# Altium PCB PC104_M7_4L.PcbDoc (part 1 of 3) (continued)
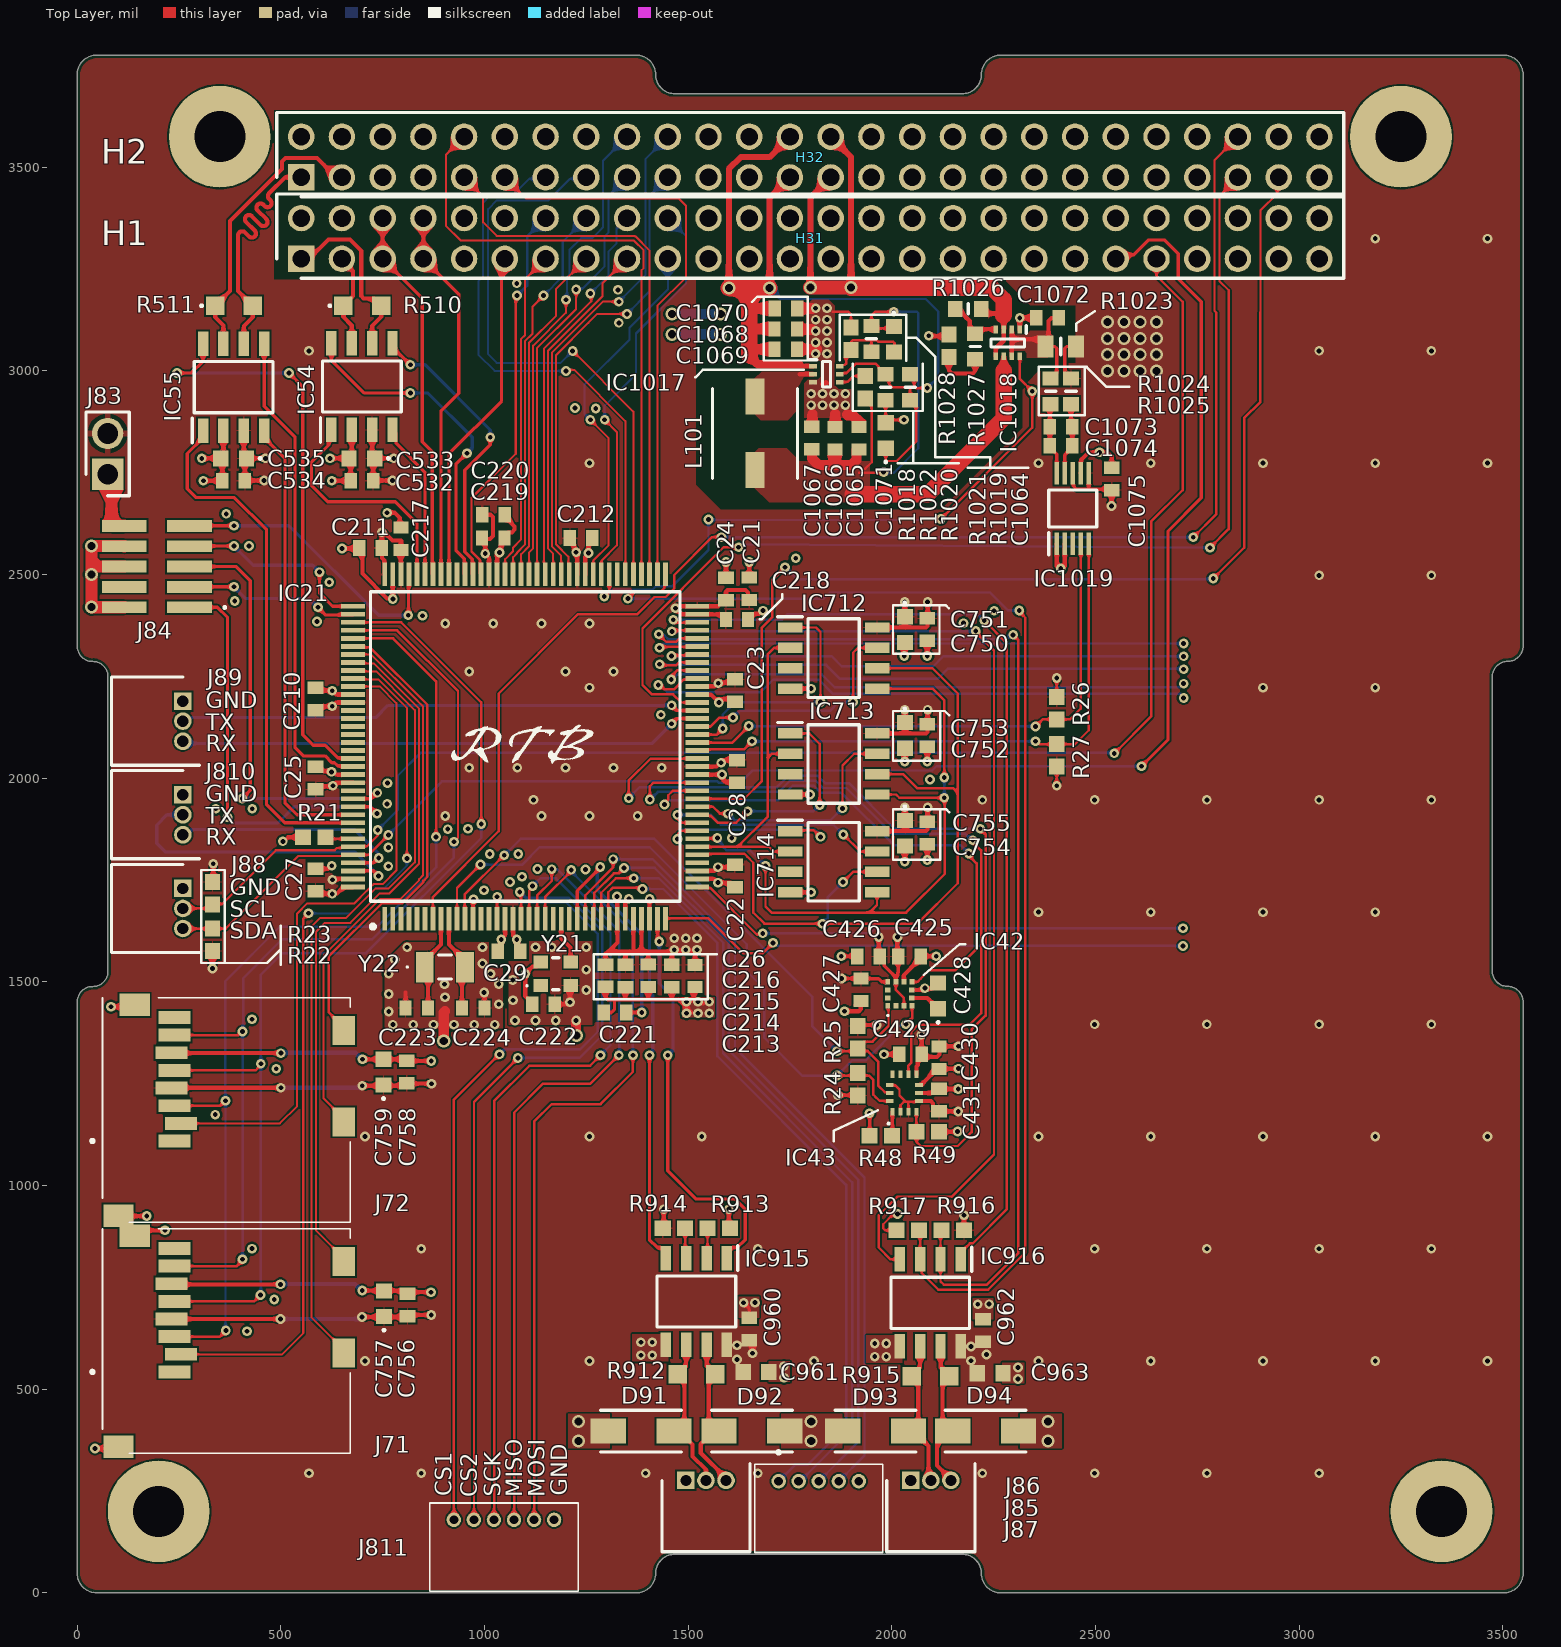
[diagram p0: Top Layer view]
## Part data (continued)
IC43: "Accelerometer, Gyroscope, Temperature, 6 Axis Sensor I²C, SPI Output", Manufacturer_Name=STMicroelectronics, Mouser Part Number=511-ASM330LHHTR, Arrow Part Number=ASM330LHHTR, Arrow Price/Stock=https://www.arrow.com/en/products/asm330lhhtr/stmicroelectronics?region=nac, Datasheet Link=https://www.st.com/resource/en/datasheet/asm330lhh.pdf, Manufacturer_Part_Number=ASM330LHHTR, Mouser Price/Stock=https://www.mouser.co.uk/ProductDetail/STMicroelectronics/ASM330LHHTR?qs=lc2O%252BfHJPVYgP8P9MzExKQ%3D%3D
IC54 IC55: "1/1 Transceiver CANbus 8-SOIC", Manufacturer_Name="Texas Instruments", Mouser Part Number=595-TCAN337GDR, Arrow Part Number=TCAN337GDR, Arrow Price/Stock=https://www.arrow.com/en/products/tcan337gdr/texas-instruments?region=nac, Datasheet Link=http://www.ti.com/lit/gpn/tcan337g, Height=1.75mm, Manufacturer_Part_Number=TCAN337GDR, Mouser Price/Stock=https://www.mouser.co.uk/ProductDetail/Texas-Instruments/TCAN337GDR?qs=gMfM3zrbS4qJ%252BEWbPaeUtA%3D%3D
IC712 IC713 IC714: "FRAM (Ferroelectric RAM) Memory IC 1Mbit SPI 40 MHz 8-SOP", Manufacturer_Name=FUJITSU, Mouser Part Number=249-85S1MTPNFGJNERE1, Datasheet Link=https://www.fujitsu.com/us/Images/MB85RS1MT-DS501-00022-2v0-E.pdf, Height=1.75mm, Manufacturer_Part_Number=MB85RS1MTPNF-G-JNERE1, Mouser Price/Stock=https://www.mouser.co.uk/ProductDetail/Fujitsu-Semiconductor/MB85RS1MTPNF-G-JNERE1?qs=HBWAp0VN4Rhzv67G8JdVdQ%3D%3D
IC915 IC916: "1/1 Transceiver Half RS485 8-SOIC", Manufacturer_Name="Texas Instruments", Mouser Part Number=595-THVD2450DR, Arrow Part Number=THVD2450DR, Arrow Price/Stock=https://www.arrow.com/en/products/thvd2450dr/texas-instruments?region=nac, Datasheet Link=http://www.ti.com/lit/gpn/THVD2450, Height=1.75mm, Manufacturer_Part_Number=THVD2450DR, Mouser Price/Stock=https://www.mouser.co.uk/ProductDetail/Texas-Instruments/THVD2450DR?qs=%252B6g0mu59x7KnRZ8zf%2FOjqQ%3D%3D
IC1017: library part TPS564257DRLR, "TPS564252DRLR / Buck Switching Regulator IC Positive Adjustable 0.6V 1 Output 4A SOT-563, SOT-666", Manufacturer_Name="Texas Instruments", Mouser Part Number=595-TPS564257DRLR, Datasheet Link=https://www.ti.com/lit/ds/symlink/tps564257.pdf?HQS=dis-mous-null-mousermode-dsf-pf-null-wwe&ts=1695023870951&ref_url=https%253A%252F%252Fwww.mouser.de%252F, Height=0.6mm, Manufacturer_Part_Number=TPS564257DRLR, Mouser Price/Stock=https://www.mouser.co.uk/ProductDetail/Texas-Instruments/TPS564257DRLR?qs=ulEaXIWI0c8amaZvnJWTQQ%3D%3D
IC1018: library part TPS2116DRLR, "Power Switch/Driver 1:1 N-Channel 4A SOT-583", Manufacturer_Name="Texas Instruments", Mouser Part Number=595-TPS2116DRLR, Arrow Part Number=TPS2116DRLR, Arrow Price/Stock=https://www.arrow.com/en/products/tps2116drlr/texas-instruments?region=nac, Datasheet Link=https://www.ti.com/lit/gpn/tps2116, Height=0.6mm, Manufacturer_Part_Number=TPS2116DRLR, Mouser Price/Stock=https://www.mouser.co.uk/ProductDetail/Texas-Instruments/TPS2116DRLR?qs=aP1CjGhiNiGo3XAyXcVPaQ%3D%3D
IC1019: "Power Supply Controller 10-VSSOP", Manufacturer_Name="Texas Instruments", Mouser Part Number=595-INA237AQDGSRQ1, Arrow Part Number=INA237AQDGSRQ1, Arrow Price/Stock=https://www.arrow.com/en/products/ina237aqdgsrq1/texas-instruments?region=nac, Datasheet Link=https://www.ti.com/lit/ds/symlink/ina237-q1.pdf?ts=1625619121802, Height=1.1mm, Manufacturer_Part_Number=INA237AQDGSRQ1, Mouser Price/Stock=https://www.mouser.co.uk/ProductDetail/Texas-Instruments/INA237AQDGSRQ1?qs=QNEnbhJQKvZMdvZTHxOefQ%3D%3D
J71 J72: "MICRO SD PUSH PUSH, CLOSED, SMT,", Manufacturer_Name="GLOBAL CONNECTOR TECHNOLOGY", Datasheet Link=https://gct.co/files/drawings/mem2061.pdf?v=db251ddb-1946-4f24-aa19-b8a17901bdd2, Height=2.13mm, Manufacturer_Part_Number=MEM2061-01-188-00-A
J83: "Connector", Manufacturer_Name="Wurth Elektronik", Mouser Part Number=710-61300211121, Datasheet Link=https://componentsearchengine.com/Datasheets/2/61300211121.pdf, Height=8.54mm, Manufacturer_Part_Number=61300211121, Mouser Price/Stock=https://www.mouser.co.uk/ProductDetail/Wurth-Elektronik/61300211121?qs=t4813l51qx%252B1A5GYDQxPlw%3D%3D
J84: "Connector Header Surface Mount 10 position 0.050\" (1.27mm)", Manufacturer_Name=SAMTEC, Mouser Part Number=200-FTSH10501LDVK, Arrow Part Number=FTSH-105-01-L-DV-K, Arrow Price/Stock=https://www.arrow.com/en/products/ftsh-105-01-l-dv-k/samtec?region=europe, Datasheet Link=https://www.arrow.com/en/products/ftsh-105-01-l-dv-k/samtec, Height=6.1mm, Manufacturer_Part_Number=FTSH-105-01-L-DV-K, Mouser Price/Stock=https://www.mouser.co.uk/ProductDetail/Samtec/FTSH-105-01-L-DV-K?qs=%252B5JSS813miOqo3Vy%252BvhCFg%3D%3D
J85: library part 53048-0510, "Connector Header Through Hole, Right Angle 5 position 0.049\" (1.25mm)", Manufacturer_Name=Molex, Mouser Part Number=538-53048-0510, Datasheet Link=https://componentsearchengine.com/Datasheets/2/53048-0510.pdf, Height=3.7mm, Manufacturer_Part_Number=53048-0510, Mouser Price/Stock=https://www.mouser.co.uk/ProductDetail/Molex/53048-0510?qs=nn26K2WaEYvXrn%2FdgEEqtg%3D%3D
J86 J87 J88 J89 J810: library part 53048-0310, "Connector Header Through Hole, Right Angle 3 position 0.049\" (1.25mm)", Manufacturer_Name=Molex, Mouser Part Number=538-53048-0310, Datasheet Link=https://www.molex.com/pdm_docs/sd/530481010_sd.pdf, Height=3.5mm, Manufacturer_Part_Number=53048-0310, Mouser Price/Stock=https://www.mouser.co.uk/ProductDetail/Molex/53048-0310?qs=zXrbR4Jv0OfUlEeVnlaifA%3D%3D
J811: "Connector", Manufacturer_Name=Molex, Mouser Part Number=538-53048-0610, Arrow Part Number=53048-0610, Arrow Price/Stock=https://www.arrow.com/en/products/53048-0610/molex?region=nac, Datasheet Link=https://www.molex.com/pdm_docs/sd/530480610_sd.pdf, Height=3.7mm, Manufacturer_Part_Number=53048-0610, Mouser Price/Stock=https://www.mouser.co.uk/ProductDetail/Molex/53048-0610?qs=4XSMV6Twtb0hBXTOEHM3BQ%3D%3D
L101: library part 744316330, "3.3 µH Shielded Wirewound Inductor 5.75 A 18.5mOhm 2-SMD", Manufacturer_Name="Wurth Elektronik", Mouser Part Number=710-744316330, Datasheet Link=https://componentsearchengine.com/Datasheets/1/744316330.pdf, Height=4.3mm, Manufacturer_Part_Number=744316330, Mouser Price/Stock=https://www.mouser.co.uk/ProductDetail/Wurth-Elektronik/744316330?qs=%252B7BPNfeNhvX5azP5TkUELg%3D%3D
R21 R22 R23 R24 R25 R26 R27 R48 R49 R913 R914 R916 R917 R1018 R1021 R1028: library part RNCP0603FTD10K0, "10 kOhms ±1% 0.125W, 1/8W Chip Resistor 0603 (1608 Metric) Anti-Sulfur Thin Film", Manufacturer_Name="Stackpole Electronics", Mouser Part Number=708-RNCP0603FTD10K0, Arrow Part Number=RNCP0603FTD10K0, Arrow Price/Stock=https://www.arrow.com/en/products/rncp0603ftd10k0/stackpole-electronics?region=nac, Datasheet Link=https://cs.seielect.com/catalog/SEI-RNCP.pdf, Height=0.5mm, Manufacturer_Part_Number=RNCP0603FTD10K0, Mouser Price/Stock=https://www.mouser.co.uk/ProductDetail/SEI-Stackpole/RNCP0603FTD10K0?qs=FESYatJ8odL1jmHQSpKOPg%3D%3D
R510 R511 R912 R915: library part ERA-6VEB1200V, "120 Ohms ±0.1% 0.25W, 1/4W Chip Resistor 0805 (2012 Metric) Anti-Sulfur, Automotive AEC-Q200 Thin Film", Manufacturer_Name=Panasonic, Mouser Part Number=667-ERA-6VEB1200V, Arrow Part Number=ERA-6VEB1200V, Arrow Price/Stock=https://www.arrow.com/en/products/era-6veb1200v/panasonic?region=nac, Datasheet Link=http://industrial.panasonic.com/cdbs/www-data/pdf/RDM0000/RDM0000C331.pdf, Height=0.65mm, Manufacturer_Part_Number=ERA-6VEB1200V, Mouser Price/Stock=https://www.mouser.co.uk/ProductDetail/Panasonic/ERA-6VEB1200V?qs=rI7uf1IzohQDwVDMjI%252BQDA%3D%3D
R1019 R1026: library part RMCF0603FT45K3, "45.3 kOhms ±1% 0.1W, 1/10W Chip Resistor 0603 (1608 Metric) Automotive AEC-Q200 Thick Film", Manufacturer_Name="Stackpole Electronics", Arrow Part Number=RMCF0603FT45K3, Arrow Price/Stock=https://www.arrow.com/en/products/rmcf0603ft45k3/stackpole-electronics, Datasheet Link=https://www.seielect.com/Catalog/SEI-RMCF_RMCP.pdf, Height=0.55mm, Manufacturer_Part_Number=RMCF0603FT45K3
R1020 R1022 R1027: library part ERJ-3EKF2002V, "20 kOhms ±1% 0.1W, 1/10W Chip Resistor 0603 (1608 Metric) Automotive AEC-Q200 Thick Film", Manufacturer_Name=Panasonic, Mouser Part Number=667-ERJ-3EKF2002V, Arrow Part Number=ERJ-3EKF2002V, Arrow Price/Stock=https://www.arrow.com/en/products/erj-3ekf2002v/panasonic?region=europe, Datasheet Link=http://industrial.panasonic.com/cdbs/www-data/pdf/RDA0000/AOA0000C86.pdf, Height=0.55mm, Manufacturer_Part_Number=ERJ-3EKF2002V, Mouser Price/Stock=https://www.mouser.co.uk/ProductDetail/Panasonic/ERJ-3EKF2002V?qs=66DK8nO8gJB3y0uxig0mNg%3D%3D
R1023: library part CRF0805-FZ-R001ELF, "1 mOhms ±1% 0.5W, 1/2W Chip Resistor 0805 (2012 Metric) Automotive AEC-Q200, Current Sense, Moisture Resistant Metal Element", Manufacturer_Name=Bourns, Mouser Part Number=652-CRF0805FZR001ELF, Arrow Part Number=CRF0805-FZ-R001ELF, Arrow Price/Stock=https://www.arrow.com/en/products/crf0805-fz-r001elf/bourns?region=nac, Datasheet Link=https://www.bourns.com/docs/product-datasheets/CRF.pdf, Height=0.8mm, Manufacturer_Part_Number=CRF0805-FZ-R001ELF, Mouser Price/Stock=https://www.mouser.co.uk/ProductDetail/Bourns/CRF0805-FZ-R001ELF?qs=t7xnP681wgV0AIQaUselMQ%3D%3D
R1024 R1025: library part ERJ-3EKF10R0V, "10 Ohms ±1% 0.1W, 1/10W Chip Resistor 0603 (1608 Metric) Automotive AEC-Q200 Thick Film", Manufacturer_Name=Panasonic, Mouser Part Number=667-ERJ-3EKF10R0V, Arrow Part Number=ERJ-3EKF10R0V, Arrow Price/Stock=https://www.arrow.com/en/products/erj-3ekf10r0v/panasonic?region=nac, Datasheet Link=http://industrial.panasonic.com/cdbs/www-data/pdf/RDA0000/AOA0000C86.pdf, Height=0.55mm, Manufacturer_Part_Number=ERJ-3EKF10R0V, Mouser Price/Stock=https://www.mouser.co.uk/ProductDetail/Panasonic/ERJ-3EKF10R0V?qs=Y94Hbc6uvEMT73hhx3Gvwg%3D%3D
Y21: "16 MHz TCXO HCMOS Oscillator 3.3V Enable/Disable 4-SMD, No Lead", Manufacturer_Name=ECS, Mouser Part Number=520-T2520-33-160-ANT, Arrow Part Number=ECS-TXO-2520-33-160-AN-TR, Arrow Price/Stock=https://www.arrow.com/en/products/ecs-txo-2520-33-160-an-tr/ecs-international?region=nac, Datasheet Link=https://ecsxtal.com/store/pdf/ECS-TXO-2520.pdf, Height=1mm, Manufacturer_Part_Number=ECS-TXO-2520-33-160-AN-TR, Mouser Price/Stock=https://www.mouser.co.uk/ProductDetail/ECS/ECS-TXO-2520-33-160-AN-TR?qs=KAq9QXcE8HAE1gcf2ozR9w%3D%3D
Y22: "32.768 kHz ±5ppm Crystal 12.5pF 70 kOhms 2-SMD, No Lead", Manufacturer_Name="CITIZEN FINEDEVICE", Mouser Part Number=N/A, Datasheet Link=http://cfd.citizen.co.jp/cms/cfd/pdf/english/CM315D_E.pdf, Height=0.9mm, Manufacturer_Part_Number=CM315D32768HZFT, Mouser Price/Stock=https://www.mouser.co.uk/ProductDetail/Citizen-FineDevice/CM315D32768HZFT?qs=wnTfsH77Xs4JnKs4SU5%252Bgw%3D%3D

## Free pads (board coordinates)
  round 250 hole 125.2 mask-99999: 1(200,200) 1(350,3575.2) 1(3250,3575.2) 1(3350,200)

## Via types
v1: diameter 23.82, hole 11.81, Top Layer to Bottom Layer, tented both sides, 433 vias
v2: diameter 32.01, hole 20, Top Layer to Bottom Layer, tented both sides, 35 vias

## Nets (pads, with @x,y where several pads share a name; then routed paths per layer and width w, separated by ;. In a path a pad name is that pad's centre, name@x,y a point inside that pad or via, vN(x,y) a via of type N, cw(c..) or ccw(c..) an arc to the next point about the centre after c; other vN are vias at no path point)
3V3: C21.1 C22.1 C23.1 C24.1 C25.1 C26.1 C27.1 C28.1 C29.1 C210.1 C211.1 C212.1 C213.1 C214.1 C215.1 C216.1 C217.1 C218.1 C219.1 C220.1 C222.1 C425.1 C426.1 C427.1 C429.1 C430.1 C431.1 C532.1 C533.1 C534.1 C535.1 C750.1 C751.1 C752.1 C753.1 C754.1 C755.1 C756.1 C757.1 C758.1 C759.1 C960.1 C961.1 C962.1 C963.1 C1075.2 IC21.17 IC21.30 IC21.32 IC21.33 IC21.39 IC21.52 IC21.62 IC21.71 IC21.72 IC21.84 IC21.95 IC21.106 IC21.108 IC21.121 IC21.131 IC21.143 IC21.144 IC42.3 IC42.9 IC42.10 IC43.2 IC43.3 IC43.5 IC43.8 IC43.12 IC54.3 IC55.3 IC712.8 IC713.8 IC714.8 IC915.8 IC916.8 IC1019.6 IC1019.8 J71.P4 J72.P4 J83.2 R22.1 R23.1 R24.1 R25.1 R26.1 R27.1 R914.2 R916.2 R1023.1 R1025.2 Y21.4 | length 6521.1
  Top Layer w6: IC43.12@1995.08,1246.69 1995.96,1245.8 2009.2,1245.8 2019,1236 2019,1221 2034.61,1205.39 ; IC42.9@2010,1500 2010,1480.32 2029.69,1460.63 IC42.3@2029.69,1440.94 ; IC43.2@2021.16,1181.23 2021.16,1197.16 2029.39,1205.39 2034.61,1205.39 ; IC43.3@2040.84,1181.23 2040.84,1203.84 2042.39,1205.39 ; IC43.5@2066.93,1207.32 2065,1205.39 2042.39,1205.39 ; v1(2405,1981.74) R27.1@2405,2028.44 ; R26.1@2405,2199.56 v1(2405,2246.26) ; 2034.61,1205.39 2042.39,1205.39
  Top Layer w8: v1(1868,1221.88) 1916,1221.88 R24.1@1916.44,1221.44 ; v1(1876.37,1508.31) 1924.37,1508.31 C427.1@1924.81,1507.87 1967.68,1507.87 1975.55,1500 IC42.10@1990.32,1500 ; R25.1@1916.44,1391.56 1918.88,1394 v1(1963,1394) ; C426.1@1969.93,1562.47 1981.28,1551.12 1981.28,1539.8 2010,1511.08 ; IC42.9@2010,1500 2010,1511.08 ; C425.1@2015.81,1562.47 2015.81,1523.22 2014.69,1522.09 2014.69,1515.77 2010,1511.08 ; R1025.2@2440,2981.5 2438.72,2981.5 2425,2995.21 2425,3055.31 2429.69,3060 R1023.1@2452.4,3060 ; IC1019.8@2444.37,2749 2446.27,2747.1 2446.27,2716.52 2453.23,2709.57 2485,2709.57 ; IC1019.6@2483.74,2749 2483.74,2710.83 2485,2709.57 ; C1075.2@2540,2707.44 2537.88,2709.57 2485,2709.57
  Top Layer w10: J71.P4@231.3,672.22 v1(499.22,672.22) ; J72.P4@231.3,1239.22 232.08,1240 v1(500,1240) ; v1(332,1533) R22.1@332,1575.44 ; R23.1@332,1745.56 334,1747.56 v1(334,1790) ; C535.1@409.06,2791.81 IC55.3@409.06,2853.58 ; C534.1@411.61,2730.32 C535.1@411.61,2781.38 ; C534.1@412.3,2731 v1(459,2731) ; C535.1@415.55,2785.32 v1(462.25,2785.32) ; C27.1@585,1722.44 591.44,1716 v1(626,1716) 627.48,1717.48 638.16,1717.48 652.96,1732.28 676.09,1732.28 IC21.144@677,1733.19 ; C25.1@586,1972.44 593.56,1980 626.33,1980 v1(627.67,1981.35) 635.42,1989.1 IC21.131@677,1989.1 ; C210.1@586,2169.29 593.56,2176.85 v1(626,2176.85) 626.33,2176.85 635.42,2185.95 IC21.121@677,2185.95 ; v1(626.5,1750.58) 628.59,1750.58 630.88,1752.87 IC21.143@677,1752.87 ; v1(699.22,677.22) 802.65,677.22 808.39,682.96 809.13,682.22 v1(869.22,682.22) ; v1(700,1245) 803.43,1245 C758.1@809.17,1250.74 809.91,1250 v1(870,1250) ; C533.1@724.06,2793.31 IC54.3@724.06,2855.09 ; C532.1@726.61,2730.32 C533.1@726.61,2781.38 ; C532.1@727.3,2731 v1(774,2731) ; C533.1@730.55,2785.32 v1(777.25,2785.32) ; v1@749.48,2602.52 v1(748,2604) ; IC21.108@755.27,2500.43 754.36,2501.34 754.36,2534.64 748,2541 748,2564.56 C211.1@747.56,2565 748,2565.44 v1(748,2604) ; IC21.106@794.64,2500.43 794.64,2559.64 C217.1@795,2560 795,2584.12 773.61,2584.12 753.73,2604 v1(748,2604) ; C219.1@993.88,2590 996.88,2587 1013,2587 1021,2595 1021,2641.14 1015.14,2647 C220.1@994.44,2647 ; C219.1@1002.08,2583.88 v1(1002.08,2551.43) 1002.08,2551.11 1011.17,2542.01 IC21.95@1011.17,2500.43 ; IC21.17@1070.23,1654.92 1070.23,1613.34 1079.32,1604.25 v1(1079.32,1603.92) 1079.32,1571.48 C29.1@1086.88,1563.92 ; C222.1@1117.44,1445 1117.44,1448.94 1107.09,1459.29 1105.86,1459.29 1100,1465.15 v1(1100,1520) 1117.79,1537.79 1127.83,1537.79 Y21.4@1138.58,1548.54 ; C212.1@1211.06,2591.43 1220.24,2582.25 1220.24,2561.85 1225,2557.09 1225,2552.91 1227.71,2550.2 IC21.84@1227.71,2500.43 ; C26.1@1297,1542.56 1297,1569.14 1302.86,1575 1304,1575 ; v1(1325.57,1709.66) 1325.85,1709.38 1325.85,1655.2 IC21.30@1326.13,1654.92 1326.13,1597.13 1304,1575 ; C216.1@1346.02,1541.98 1346.02,1566.02 1355,1575 ; IC21.32@1365.5,1654.92 1365.5,1575.5 1365,1575 ; IC21.33@1385.19,1654.92 1385.19,1575 ; C215.1@1402.02,1542.54 1402.02,1572.98 1400,1575 ; R914.2@1437.69,895 1440,897.31 v1(1440,942) ; C214.1@1460.02,1541.54 1460.02,1569.98 v1@1455,1575 ; v1@1512.33,1575 v1@1455,1575 ; C213.1@1517.02,1541.98 1517.02,1577.02 v1@1520,1580 ; IC21.39@1522.51,1772.56 1564.09,1772.56 1573.18,1781.65 v1(1573.51,1781.65) 1605.95,1781.65 C22.1@1613.51,1789.21 ; IC21.52@1522.51,2028.47 1569.38,2028.46 1578.92,2038.01 v1(1581,2038.01) 1583.09,2038 1590.21,2045.12 C28.1@1613.51,2045.12 ; IC21.62@1522.51,2225.32 1564.23,2225.31 1571.91,2233 v1(1574,2233) ; v1@1573.18,2234.41 1605.95,2234.41 C23.1@1613.51,2241.97 ; C218.1@1592.44,2390 1592.44,2392.72 1582.68,2402.48 IC21.71@1522.51,2402.48 1484.02,2402.48 v1(1468.98,2417.52) 1471.07,2417.52 1475.71,2422.17 1573.79,2422.17 C24.1@1589.06,2437.44 ; C24.1@1593,2437.44 C24.1@1589.06,2437.44 ; C960.1@1650,620.44 1658,612.44 v1(1658,588) ; C21.1@1650,2437.44 1647,2440.44 1647,2456.14 1641.14,2462 1597,2462 1593,2458 1593,2441.38 C24.1@1589.06,2437.44 ; IC714.8@1963.73,1870 2033,1870 ; IC713.8@1963.73,2110 2033,2110 ; IC712.8@1963.73,2370 2033,2370 ; v1(1968,1610) 1968,1564.4 C426.1@1969.93,1562.47 ; v1(2013.88,1610) 2013.88,1564.4 C425.1@2015.81,1562.47 ; v1(2032,1928.43) C755.1@2032,1896.5 2033,1895.49 2033,1870 ; v1(2032,2168.43) C753.1@2032,2136.5 2033,2135.49 2033,2110 ; v1(2032,2432.72) C751.1@2032,2396.5 2033,2395.49 2033,2370 ; IC43.8@2060.53,1272.77 2060.53,1292.53 2063.86,1295.86 2063.86,1312.28 C429.1@2073.59,1322 2079.59,1316 2111.14,1316 2117,1321.86 2117,1340.17 C430.1@2116,1341.17 ; IC43.5@2066.93,1207.32 2095.85,1207.32 2101.71,1201.46 2101.71,1192.24 2112.06,1181.88 C431.1@2116,1181.88 v1(2163,1181.88) ; v1(2072.64,1370) 2073.11,1369.53 C429.1@2073.11,1322.47 ; C754.1@2087,1892.56 C754.1@2088.07,1891.49 ; C752.1@2087,2132.56 C752.1@2088.07,2131.49 ; v1(2088.07,1928.43) C754.1@2088.07,1891.49 ; v1(2088.07,2168.43) C752.1@2088.07,2131.49 ; v1(2088.07,2432.72) 2088.07,2391.49 2088.07,2373.93 2084.14,2370 2033,2370 ; C430.1@2116.47,1341.65 2163.53,1341.65 v1(2164,1342.12) ; R916.2@2177.18,890 v1(2177.18,926.94) ; v1(2539.66,2668.57) C1075.2@2539.66,2705.51 ; 1304,1575 1355,1575 ; 1355,1575 1365,1575 ; 1365,1575 1385.19,1575 ; 1385.19,1575 1400,1575 ; 1400,1575 v1@1455,1575 ; 2033,1870 2084.14,1870 2088.07,1873.93 C754.1@2088.07,1891.49 ; 2033,2110 2084.14,2110 2088.07,2113.93 C752.1@2088.07,2131.49
  Bottom Layer w10: v1(499.22,672.22) 692.13,672.22 697.13,677.22 v1(699.22,677.22) ; v1(500,1240) 692.91,1240 697.91,1245 v1(700,1245)
  other v1: 568.9,293.31 844.49,293.31 1395.67,293.31 1671.26,293.31 2222.44,293.31 2498.03,293.31 2773.62,293.31 3049.21,293.31 706.69,568.9 1257.87,568.9 1809.06,568.9 2360.24,568.9 2635.83,568.9 2911.42,568.9 3187.01,568.9 3462.6,568.9 2194.37,569.85 1620,573 2232.37,584.85 2194.37,604.85 1620,608 844.49,844.49 1671.26,844.49 2498.03,844.49 2773.62,844.49 3049.21,844.49 3324.8,844.49 706.69,1120.08 1257.87,1120.08 1533.46,1120.08 2360.24,1120.08 2635.83,1120.08 2911.42,1120.08 3187.01,1120.08 3462.6,1120.08 2498.03,1395.67 2773.62,1395.67 3049.21,1395.67 3324.8,1395.67 1466,1579 1494,1579 1522,1579 1466,1607 1494,1607 1522,1607 2360.24,1671.26 2635.83,1671.26 2911.42,1671.26 3187.01,1671.26 903.54,1907.48 1139.76,1907.48 1257.87,1907.48 1375.98,1907.48 1120.08,1946.85 2222.44,1946.85 2498.03,1946.85 2773.62,1946.85 3049.21,1946.85 3324.8,1946.85 962.6,2025.59 1080.71,2025.59 1198.82,2025.59 1316.93,2025.59 1435.04,2025.59 1257.87,2222.44 2911.42,2222.44 3187.01,2222.44 962.6,2261.81 1198.82,2261.81 1316.93,2261.81 903.54,2379.92 1021.65,2379.92 1139.76,2379.92 1257.87,2379.92 3049.21,2498.03 3324.8,2498.03 1225,2555 1257.87,2773.62 2360.24,2773.62 2635.83,2773.62 2911.42,2773.62 3187.01,2773.62 3462.6,2773.62 568.9,3049.21 3049.21,3049.21 3324.8,3049.21 3187.01,3324.8 3462.6,3324.8
  other v2: 2530,3000 2570,3000 2610,3000 2650,3000 2530,3040 2570,3040 2610,3040 2650,3040 2530,3080 2570,3080 2610,3080 2650,3080 2530,3120 2570,3120 2610,3120 2650,3120
BOOT0: IC21.138 R21.1 | length 68.5
  Top Layer w6: R21.1@610,1855 613.7,1851.3 IC21.138@677,1851.3
BRD_GPIO1: H31.13 IC21.93 | length 816
  Top Layer w5: IC21.93@1050.54,2500.43 1050.54,2537.7 1069.91,2557.07 1069.91,2566.24 1089.28,2585.61 1089.28,3077.32 1099.41,3087.45 1099.41,3224.61 H31.13@1150,3275.2
BRD_GPIO2: H31.16 IC21.92 | length 949.5
  Top Layer w5: IC21.92@1070.23,2500.43 1070.23,2542.96 1079.91,2552.64 1079.91,2554.06 1099.28,2573.43 1099.28,3073.18 1118.11,3092 1118.11,3158.11 v1(1145,3185)
  Bottom Layer w5: v1(1145,3185) 1191,3231 1191,3231.65 1192.59,3233.24 1192.24,3233.59 ; 1192.24,3317.43 H31.16@1250,3375.2
  Bottom Layer w6: 1192.24,3233.59 1192.24,3317.43
BRD_GPIO3: H31.15 IC21.91 | length 841.1
  Top Layer w5: IC21.91@1089.91,2500.43 1089.91,2549.91 1109.28,2569.28 1109.28,3069.04 1175,3134.75 1175,3200.2 H31.15@1250,3275.2
BRD_GPIO4: H32.18 IC21.90 | length 1190.3
  Top Layer w5: IC21.90@1109.6,2500.43 1109.6,2554.6 1119.28,2564.28 1119.28,3062.07 1200,3142.78 v1(1200,3175)
  Bottom Layer w5: v1(1200,3175) 1202.74,3177.74 1202.74,3230.65 1208.66,3236.58 ; 1208.66,3297.47 1237.14,3325.95 1264.36,3325.95 1285.29,3346.88 1290.88,3352.47 1290.88,3360.96 1290.88,3516.08 H32.18@1350,3575.2
  Bottom Layer w6: 1208.66,3236.58 1208.66,3297.47
BRD_GPIO5: H32.17 IC21.89 | length 1074
  Top Layer w5: IC21.89@1129.28,2500.43 1129.28,3056.45 1225,3152.17 v1(1225,3200)
  Bottom Layer w5: v1(1225,3200) 1227.43,3202.43 1240.85,3202.43 1294.29,3255.88 1294.29,3329.72 1305.02,3340.45 1305.02,3430.22 H32.17@1350,3475.2
BRD_GPIO6: H31.18 IC21.88 | length 962.7
  Top Layer w5: IC21.88@1148.97,2500.43 1145.56,2503.84 1145.56,2549.44 1145.56,3054.45 1262.26,3171.14 1262.26,3187.74 v1(1260,3190)
  Bottom Layer w5: v1(1260,3190) 1305,3235 1305,3293.81 1323.54,3312.35 1323.54,3348.74 H31.18@1350,3375.2
BRD_GPIO7: H31.17 IC21.87 | length 860.7
  Top Layer w5: IC21.87@1168.65,2500.43 1168.65,2551.35 1155.56,2564.44 1155.56,3048.85 1289.69,3182.98 1289.69,3214.89 H31.17@1350,3275.2
EXT_GPIO1: IC21.26 J85.4 | length 2042.9
  Top Layer w6: IC21.26@1247.39,1654.92 1250.3,1657.83 1247.39,1660.73 1247.39,1712.39 1315.79,1780.79 v1(1315.79,1801.37)
  Bottom Layer w6: v1(1315.79,1801.37) 1412.22,1801.37 1615,1598.58 1615,1338 1933,1020 1933,337.21 J85.4@1869.79,274
EXT_GPIO2: IC21.27 J85.3 | length 1991.8
  Top Layer w6: IC21.27@1267.08,1654.92 1269.98,1657.83 1269.98,1718.8 1317.7,1766.52 1329.36,1766.52 1342.35,1779.51 v1(1342.69,1779.51)
  Bottom Layer w6: v1(1342.69,1779.51) 1343.04,1779.85 1418.18,1779.85 1600,1598.03 1600,1331.79 1918,1013.79 1918,371.43 J85.3@1820.57,274
EXT_GPIO3: IC21.28 J85.2 | length 1953.9
  Top Layer w6: IC21.28@1286.76,1654.92 1286.76,1718.66 1322.66,1754.55 v1(1366.44,1754.55)
  Bottom Layer w6: v1(1366.44,1754.55) 1366.62,1754.73 1427.74,1754.73 1586.4,1596.07 1586.4,1324.17 1903,1007.57 1903,402 1775,274 J85.2@1771.36,274
EXT_GPIO4: IC21.29 J85.1 | length 1934.6
  Top Layer w6: IC21.29@1306.45,1654.92 1303.72,1657.65 1303.72,1720.05 1315.18,1731.52 1381.27,1731.52 1384.99,1727.81 v1(1388.16,1727.81)
  Bottom Layer w6: v1(1388.16,1727.81) 1388.35,1728 1438.91,1728 1571.91,1595 1571.91,1317.45 1888,1001.36 1888,409 1793,314 1762.15,314 J85.1@1722.15,274
FDCAN1_FAULT: IC21.97 IC54.5 | length 722.7
  Top Layer w8: IC54.5@774.06,3068.55 774.06,3058.94 v1(818,3015) ; IC21.97@971.8,2500.43 969.9,2502.34 969.9,2537.79 951.77,2555.92 951.77,2756.45 1014,2818.67 v1(1014,2837)
  Bottom Layer w8: v1(818,3015) 854,3015 1014,2855 v1(1014,2837)
FDCAN1_N: H31.1 IC54.6 R510.2 | length 454
  Top Layer w10: H31.1@550,3275.2 577.48,3275.2 577.48,3283.48 616.68,3322.68 669.67,3322.68 697.48,3294.86 697.48,3183.5 703.34,3177.64 728.62,3177.64 R510.2@746.26,3160 746.26,3132.36 724.06,3110.16 IC54.6@724.06,3068.55
FDCAN1_P: H31.3 IC54.7 R510.1 | length 236.4
  Top Layer w10: H31.3@650,3275.2 650,3271.3 677.48,3243.81 677.48,3183.5 671.62,3177.64 671.38,3177.64 R510.1@653.74,3160 653.74,3132.36 674.06,3112.05 IC54.7@674.06,3068.55
FDCAN1_RX: IC21.103 IC54.4 | length 387.6
  Top Layer w8: IC54.4@774.06,2855.09 782.85,2846.29 782.85,2822.15 853.69,2751.31 IC21.103@853.69,2500.43
FDCAN1_S: IC21.98 IC54.8 | length 829.2
  Top Layer w8: IC54.8@624.06,3068.55 624.06,3025.94 704,2946 v1(818,2946) ; IC21.98@952.12,2500.43 950.21,2502.34 950.21,2539.09 929.91,2559.39 929.91,2770.65 v1(957.23,2797.96)
  Bottom Layer w8: v1(818,2946) 818.25,2945.75 861.25,2945.75 970,2837 970,2810.74 v1(957.23,2797.96)
FDCAN1_TX: IC21.104 IC54.1 | length 579.6
  Top Layer w8: IC54.1@624.06,2855.09 617.15,2848.18 617.15,2818.15 575,2776 575,2719 615,2679 781.18,2679 834.01,2626.17 IC21.104@834.01,2500.43
FDCAN2_FAULT: IC21.129 IC55.5 | length 1184.8
  Top Layer w8: IC55.5@459.06,3067.05 459.06,2913.25 535,2837.31 535,2075 555.21,2054.79 563.89,2054.79 608.56,2054.79 625.3,2038.06 631.71,2038.06 639.4,2030.37 675.09,2030.37 IC21.129@677,2028.47
FDCAN2_N: H32.1 IC55.6 R511.2 | length 693.9
  Top Layer w10: IC55.6@409.06,3067.05 409.06,3110.16 431.26,3132.36 R511.2@431.26,3160 395,3196.26 395,3314.6 395,3332.89 cw(c405,3332.89) 412.07,3339.96 421.8,3330.23 ccw(c428.87,3337.3) 435.94,3330.23 ccw(c428.87,3337.3) 435.94,3344.37 414.73,3365.58 cw(c421.8,3372.66) 414.73,3379.73 cw(c421.8,3372.66) 428.87,3379.73 450.08,3358.51 ccw(c457.15,3365.58) 464.22,3358.51 ccw(c457.15,3365.58) 464.22,3372.66 443.01,3393.87 cw(c450.08,3400.94) 443.01,3408.01 cw(c450.08,3400.94) 457.15,3408.01 460.3,3404.86 ccw(c467.37,3411.93) 474.44,3404.86 ccw(c467.37,3411.93) 474.44,3419.01 471.3,3422.15 cw(c478.37,3429.22) 471.3,3436.3 510.2,3475.2 H32.1@550,3475.2
FDCAN2_P: H32.3 IC55.7 R511.1 | length 693.9
  Top Layer w10: IC55.7@359.06,3067.05 359.06,3112.05 338.74,3132.36 R511.1@338.74,3160 375,3196.26 375,3368.28 502.52,3495.8 502.52,3513.89 511.31,3522.68 588.69,3522.68 636.17,3475.2 H32.3@650,3475.2
FDCAN2_RX: IC21.135 IC55.4 | length 1114
  Top Layer w8: IC55.4@459.06,2853.58 459.06,2836.3 510,2785.36 510,1940 539.65,1910.35 IC21.135@677,1910.35
FDCAN2_S: IC21.128 IC55.8 | length 1443.7
  Top Layer w8: v1(245,2995) 280,2995 309.06,3024.06 IC55.8@309.06,3067.05 ; v1(520,2995) 553.83,2961.17 553.83,2106.86 579.53,2081.17 608.5,2081.17 639.61,2050.05 675.09,2050.05 IC21.128@677,2048.15
  Bottom Layer w8: v1(245,2995) v1(520,2995)
FDCAN2_TX: IC21.136 IC55.1 | length 1301
  Top Layer w8: IC55.1@309.06,2853.58 309.06,2836.3 270,2797.24 270,2711 292,2689 386,2689 465,2610 465,1935 509.33,1890.67 IC21.136@677,1890.67
FRAM1_HOLD: IC21.57 IC712.7 | length 592.1
  Top Layer w6: IC21.57@1522.51,2126.89 1554.89,2126.89 1577,2149 v1(1610,2149) ; v1(1905,2187) 1905,2308 1917,2320 IC712.7@1963.73,2320
  Bottom Layer w6: v1(1610,2149) 1626.14,2165.14 1847.96,2165.14 1869.82,2187 v1(1905,2187)
FRAM2_HOLD: IC21.47 IC713.7 | length 583.8
  Top Layer w6: IC21.47@1522.51,1930.04 1560.73,1930.04 1577.77,1913 v1(1598,1913) ; v1(1879,1926) 1879,2031 1908,2060 IC713.7@1963.73,2060
  Bottom Layer w6: v1(1598,1913) 1613.86,1897.14 1850.14,1897.14 v1(1879,1926)
FRAM3_HOLD: IC21.45 IC714.7 | length 588.6
  Top Layer w6: v1(1474,1910) 1476.24,1907.76 1476.24,1899.1 1484.67,1890.67 IC21.45@1522.51,1890.67 ; v1(1881,1862) 1923,1820 IC714.7@1963.73,1820
  Bottom Layer w6: v1(1474,1910) 1556,1910 1580.17,1885.83 1857.17,1885.83 v1(1881,1862)